# Altium PCB PMT_simulator.PcbDoc (part 4 of 5)
Units mm, origin at the board's own origin, x right, y up, seen from the top; angles counter-clockwise.
Board outline 222.04 x 100 mm, 4 copper layers (TopLayer, Internal Plane 1, Internal Plane 2, BottomLayer), stack 1.512 mm thick; 404 components, 266 nets, 1336 pads, 865 vias.
Unrouted connection lines stored in the file: 3.
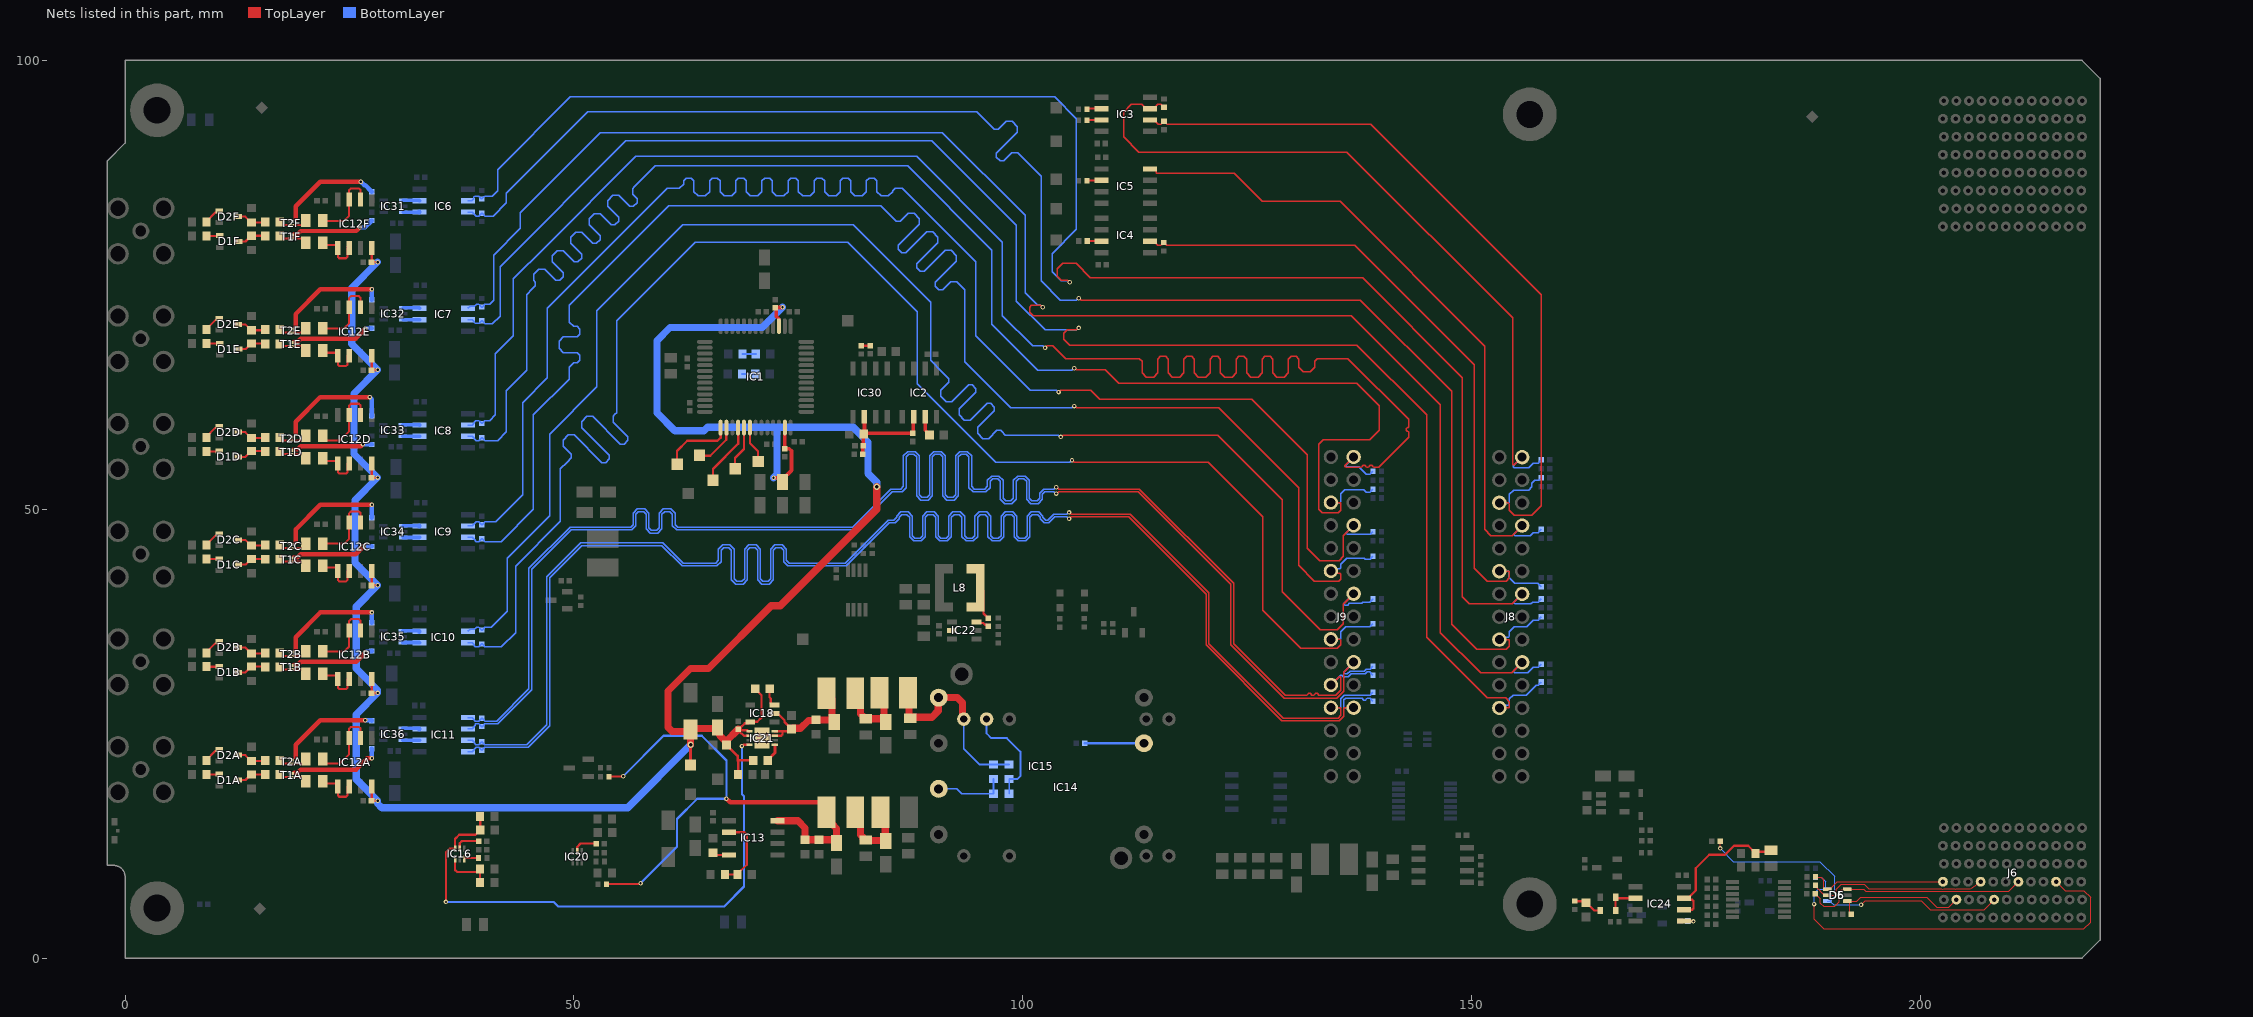
[diagram p6: the nets of this part, all layers, seen from the top]

## Via types
v1: diameter 0.5, hole 0.25, TopLayer to BottomLayer, tented both sides, 509 vias
v2: diameter 0.6, hole 0.3, TopLayer to BottomLayer, tented both sides, 338 vias
v3: diameter 0.7, hole 0.4, TopLayer to BottomLayer, tented both sides, 14 vias
v4: diameter 0.5, hole 0.25, TopLayer to BottomLayer, 4 vias

## Nets (pads, with @x,y where several pads share a name; then routed paths per layer and width w, separated by ;. In a path a pad name is that pad's centre, name@x,y a point inside that pad or via, vN(x,y) a via of type N, cw(c..) or ccw(c..) an arc to the next point about the centre after c; other vN are vias at no path point) (continued)
LVDS.LVDS_N14: IC11.1 J9.21 R31.1 R177.2 | length 181.5
  TopLayer w0.14: v1(103.75,52.45) 103.812,52.45 104.012,52.25 113,52.25 123.5,41.75 123.5,35 129.252,29.248 131.57,29.248 131.64,29.248 131.738,29.346 131.738,29.403 131.837,29.502 132.034,29.502 132.132,29.403 132.132,29.346 132.231,29.248 132.428,29.248 132.526,29.346 132.526,29.403 132.625,29.502 132.822,29.502 132.92,29.403 132.92,29.346 133.019,29.248 133.439,29.248 134.217,29.248 cw(c134.344,27.884) 134.471,29.248 134.874,29.248 135.465,29.84 135.465,31.265 135.383,31.347 135.267,31.347 J9.21@134.344,30.424
  BottomLayer w0.14: IC11.1@38.2,26.79 38.675,26.79 38.905,26.56 38.905,26.482 38.987,26.4 39.428,26.4 39.51,26.482 39.51,26.5 39.73,26.72 R31.1@39.75,26.72 39.77,26.72 39.99,26.5 39.99,26.482 40.072,26.4 41.4,26.4 45,30 45,43.424 49.576,48 56.157,48 56.315,48 56.604,48.289 56.604,49.567 57.069,50.032 57.895,50.032 58.36,49.567 58.36,47.937 58.649,47.648 59.227,47.648 59.516,47.937 59.516,49.567 59.981,50.032 60.807,50.032 61.272,49.567 61.272,48.289 61.561,48 64.231,48 81.076,48 85.326,52.25 86.279,52.25 86.437,52.25 86.726,52.539 86.726,55.967 87.19,56.432 88.017,56.432 88.482,55.967 88.482,51.618 88.771,51.329 89.349,51.329 89.638,51.618 89.638,55.967 90.102,56.432 90.929,56.432 91.394,55.967 91.394,51.618 91.683,51.329 92.261,51.329 92.55,51.618 92.55,55.967 93.014,56.432 93.841,56.432 94.306,55.967 94.306,52.539 94.595,52.25 94.828,52.25 95.196,52.25 95.779,52.25 96.068,52.539 96.068,53.238 96.532,53.702 97.359,53.702 97.824,53.238 97.824,51.21 98.113,50.921 98.691,50.921 98.98,51.21 98.98,53.238 99.444,53.702 100.271,53.702 100.736,53.238 100.736,51.21 101.025,50.921 101.603,50.921 101.892,51.21 101.892,51.785 102.356,52.25 102.638,52.25 103.488,52.25 103.688,52.45 v1(103.75,52.45) ; J9.21@134.344,30.424 135.447,31.527 135.569,31.527 135.739,31.357 136.303,31.357 136.607,31.66 138.193,31.66 138.411,31.878 138.7,31.878 138.81,31.768 138.81,31.72 R177.2@139.03,31.5
LVDS.LVDS_N15: IC11.4 J9.24 R33.2 R178.2 | length 184.6
  TopLayer w0.14: v1(105.174,48.95) 105.236,48.95 105.436,49.15 111.85,49.15 120.45,40.55 120.45,34.876 128.894,26.432 135.287,26.432 135.764,26.909 135.764,27.802 135.846,27.884 J9.24@136.884,27.884
  BottomLayer w0.14: IC11.4@38.2,22.98 38.675,22.98 38.905,23.21 38.905,23.25 39.132,23.477 39.42,23.477 39.502,23.395 39.502,23.377 39.722,23.157 R33.2@39.742,23.157 39.762,23.157 39.982,23.377 39.982,23.395 40.064,23.477 44.901,23.477 47.3,25.876 47.3,42.376 50.874,45.95 59.8,45.95 62.05,43.7 65.656,43.7 65.938,43.7 66.403,44.165 66.403,45.443 66.692,45.732 67.27,45.732 67.559,45.443 67.559,42.133 68.024,41.668 68.85,41.668 69.315,42.133 69.315,45.443 69.604,45.732 70.182,45.732 70.471,45.443 70.471,42.133 70.936,41.668 71.762,41.668 72.227,42.133 72.227,45.443 72.516,45.732 73.094,45.732 73.383,45.443 73.383,44.165 73.848,43.7 74.354,43.7 80.35,43.7 85.15,48.5 85.5,48.5 85.782,48.5 86.247,48.965 86.247,49.108 86.536,49.397 87.114,49.397 87.403,49.108 87.403,46.933 87.868,46.468 88.694,46.468 89.159,46.933 89.159,49.108 89.448,49.397 90.026,49.397 90.315,49.108 90.315,46.933 90.78,46.468 91.606,46.468 92.071,46.933 92.071,49.108 92.36,49.397 92.938,49.397 93.227,49.108 93.227,46.933 93.692,46.468 94.518,46.468 94.983,46.933 94.983,49.108 95.272,49.397 95.85,49.397 96.139,49.108 96.139,46.933 96.604,46.468 97.43,46.468 97.895,46.933 97.895,49.108 98.184,49.397 98.762,49.397 99.051,49.108 99.051,46.933 99.516,46.468 100.342,46.468 100.807,46.933 100.807,49.108 101.096,49.397 101.674,49.397 101.963,49.108 101.963,48.965 102.428,48.5 102.758,48.5 102.924,48.5 103.574,49.15 104.912,49.15 105.112,48.95 v1(105.174,48.95) ; J9.24@136.884,27.884 135.846,27.884 135.764,27.966 135.764,28.75 135.979,28.965 137.354,28.965 137.818,28.965 137.916,28.867 137.916,28.81 138.015,28.711 138.212,28.711 138.31,28.81 138.31,28.867 138.409,28.965 138.648,28.965 138.728,28.965 138.81,28.883 138.81,28.835 R178.2@139.03,28.615
LVDS.LVDS_P0: IC3.3 J8.2 R6.1 R145.2 | length 82.7
  TopLayer w0.14: R6.1@115.75,94.78 115.73,94.78 115.393,95.117 115.08,95.117 114.905,94.942 114.905,94.865 114.675,94.635 IC3.3@114.2,94.635 113.725,94.635 113.495,94.865 113.495,94.901 113.276,95.12 112.12,95.12 111.25,94.25 111.25,91.5 112.95,89.8 136.124,89.8 154.598,71.326 154.598,55.022 154.68,54.94 154.796,54.94 J8.2@155.654,55.798
  BottomLayer w0.14: J8.2@155.654,55.798 154.688,54.832 154.688,54.716 154.77,54.634 156.384,54.634 156.9,55.15 157.478,55.15 157.56,55.232 157.56,55.28 R145.2@157.78,55.5
LVDS.LVDS_P1: IC3.2 J8.5 R4.2 R146.2 | length 88.2
  TopLayer w0.14: IC3.2@114.2,93.365 114.675,93.365 114.905,93.135 114.905,93.107 115.112,92.9 115.428,92.9 115.51,92.982 115.51,93 115.73,93.22 R4.2@115.75,93.22 115.77,93.22 115.99,93 115.99,92.982 116.072,92.9 138.774,92.9 157.8,73.874 157.8,50.376 156.74,49.316 154.794,49.316 154.234,49.876 154.234,50.636 154.152,50.718 J8.5@153.114,50.718
  BottomLayer w0.14: J8.5@153.114,50.718 154.152,50.718 154.234,50.8 154.234,51.654 154.705,52.126 156.376,52.126 156.75,52.5 156.75,52.89 157.066,53.206 157.506,53.206 157.78,53.48 R146.2@157.78,53.5
LVDS.LVDS_P2: IC5.8 J8.8 R147.2 | length 75.7
  TopLayer w0.14: IC5.8@114.2,87.905 114.646,87.905 114.876,87.675 114.876,87.499 114.959,87.417 123.583,87.417 126.7,84.3 135.374,84.3 151.5,68.174 151.5,47.75 152.178,47.072 154.548,47.072 J8.8@155.654,48.178
  BottomLayer w0.14: J8.8@155.654,48.178 154.747,47.271 154.747,47.155 154.829,47.073 156.573,47.073 156.9,47.4 157.478,47.4 157.56,47.482 157.56,47.53 R147.2@157.78,47.75
LVDS.LVDS_P3: IC4.2 J8.11 R8.2 R148.2 | length 77.1
  TopLayer w0.14: IC4.2@114.2,79.865 114.675,79.865 114.905,79.635 114.905,79.567 115.078,79.395 115.415,79.395 115.497,79.477 115.497,79.495 115.717,79.715 R8.2@115.737,79.715 115.757,79.715 115.977,79.495 115.977,79.477 116.059,79.395 137.03,79.395 150.3,66.124 150.3,43.45 151.757,41.993 153.858,41.993 154.234,42.37 154.234,43.016 154.152,43.098 J8.11@153.114,43.098
  BottomLayer w0.14: J8.11@153.114,43.098 154.136,43.098 154.234,43 154.234,42.341 154.849,41.727 157.416,41.727 157.54,41.603 157.56,41.603 157.78,41.383 R148.2@157.78,41.363
LVDS.LVDS_P4: IC6.2 J8.14 R11.2 R149.2 | length 185.7
  TopLayer w0.14: v1(105.25,75.3) 105.188,75.3 104.988,75.5 104.326,75.5 103.881,75.945 103.881,76.791 104.491,77.401 105.946,77.401 107.547,75.8 137.874,75.8 149,64.674 149,40.25 149.782,39.468 154.564,39.468 J8.14@155.654,40.558
  BottomLayer w0.14: IC6.2@38.2,84.385 38.618,84.385 38.848,84.615 38.848,84.788 38.955,84.895 39.404,84.895 39.486,84.813 39.486,84.795 39.706,84.575 R11.2@39.726,84.575 39.746,84.575 39.966,84.795 39.966,84.813 40.048,84.895 40.895,84.895 41.5,85.5 41.5,87.826 49.624,95.95 103.55,95.95 106,93.5 106,81.174 103.3,78.474 103.3,76.45 104.3,75.45 105.003,75.45 105.153,75.3 v1(105.25,75.3) ; J8.14@155.654,40.558 154.741,39.645 154.741,39.529 154.823,39.447 156.616,39.447 156.819,39.65 157.478,39.65 157.56,39.732 157.56,39.78 R149.2@157.78,40
LVDS.LVDS_P5: IC6.3 J8.17 R13.1 R150.2 | length 183.8
  TopLayer w0.14: v1(106.25,73.5) 106.312,73.5 106.512,73.3 112.971,73.3 126.952,73.3 137.624,73.3 147.8,63.124 147.8,37.2 150.587,34.413 153.897,34.413 154.234,34.75 154.234,35.396 154.152,35.478 J8.17@153.114,35.478
  BottomLayer w0.14: IC6.3@38.2,83.115 38.675,83.115 38.905,82.885 38.905,82.85 39.113,82.642 39.394,82.642 39.738,82.985 R13.1@39.758,82.985 39.778,82.985 39.998,82.765 39.998,82.747 40.08,82.665 40.991,82.665 42.45,84.124 42.45,85.2 51.55,94.3 94.874,94.3 96.746,92.428 96.857,92.317 97.266,92.317 98.17,93.221 98.827,93.221 99.412,92.636 99.412,91.979 97.071,89.638 97.071,89.23 97.48,88.821 97.888,88.821 98.792,89.725 99.449,89.725 100.535,88.639 102.05,87.124 102.05,75.45 104.2,73.3 105.988,73.3 106.188,73.5 v1(106.25,73.5) ; J8.17@153.114,35.478 153.386,35.75 154.152,35.75 154.234,35.832 154.234,36.374 154.746,36.886 156.142,36.886 156.906,37.65 157.478,37.65 157.56,37.732 157.56,37.78 R150.2@157.78,38
LVDS.LVDS_P6: IC7.2 J8.20 R15.2 R151.2 | length 183.5
  TopLayer w0.14: v1(102.25,72.5) 102.188,72.5 101.988,72.7 100.975,72.7 100.803,72.529 100.803,71.947 101.2,71.55 136.624,71.55 146.55,61.624 146.55,36.251 151.039,31.763 154.479,31.763 J8.20@155.654,32.938
  BottomLayer w0.14: IC7.2@38.2,72.385 38.43,72.615 38.917,72.615 39.152,72.85 39.428,72.85 39.51,72.768 39.51,72.75 39.73,72.53 R15.2@39.75,72.53 39.77,72.53 39.99,72.75 39.99,72.768 40.072,72.85 40.624,72.85 41.05,73.276 41.05,78.3 44.05,81.3 44.05,83.05 52.95,91.95 91.05,91.95 100.268,82.732 100.268,74.107 101.675,72.7 101.988,72.7 102.188,72.5 v1(102.25,72.5) ; J8.20@155.654,32.938 154.717,32.001 154.717,31.885 154.799,31.803 156.303,31.803 156.9,32.4 157.478,32.4 157.56,32.482 157.56,32.53 R151.2@157.78,32.75
LVDS.LVDS_P7: IC7.3 J8.23 R17.1 R152.2 | length 185.5
  TopLayer w0.14: v1(106.25,70.2) 106.188,70.2 105.988,70 104.971,70 104.584,69.613 104.584,68.916 105.25,68.25 137.25,68.25 145,60.5 145,35.75 151.75,29 153.811,29 154.234,28.577 154.234,27.94 154.152,27.858 J8.23@153.114,27.858
  BottomLayer w0.14: IC7.3@38.2,71.115 38.675,71.115 38.905,70.885 38.905,70.786 38.987,70.704 39.434,70.704 39.73,71 R17.1@39.75,71 39.77,71 39.99,70.78 39.99,70.762 40.072,70.68 40.93,70.68 41.771,71.521 41.771,77.021 55.8,91.05 89.874,91.05 99.3,81.624 99.3,73.2 102.5,70 105.988,70 106.188,70.2 v1(106.25,70.2) ; J8.23@153.114,27.858 153.394,28.138 154.122,28.138 154.234,28.25 154.234,28.874 154.66,29.3 156.12,29.3 157.22,30.4 157.478,30.4 157.56,30.482 157.56,30.53 R152.2@157.78,30.75
LVDS.LVDS_P8: IC8.2 J9.2 R19.2 R153.2 | length 184.4
  TopLayer w0.14: v1(102.5,68) 102.562,68 102.762,68.2 103.376,68.2 104.826,66.75 111.397,66.75 113.011,66.75 113.3,66.461 113.3,65.183 113.765,64.718 114.591,64.718 115.056,65.183 115.056,66.73 115.345,67.019 115.923,67.019 116.212,66.73 116.212,65.183 116.677,64.718 117.503,64.718 117.968,65.183 117.968,66.73 118.257,67.019 118.835,67.019 119.124,66.73 119.124,65.183 119.589,64.718 120.415,64.718 120.88,65.183 120.88,66.73 121.169,67.019 121.747,67.019 122.036,66.73 122.036,65.183 122.501,64.718 123.327,64.718 123.792,65.183 123.792,66.73 124.081,67.019 124.659,67.019 124.948,66.73 124.948,65.183 125.413,64.718 126.239,64.718 126.704,65.183 126.704,66.73 126.993,67.019 127.571,67.019 127.86,66.73 127.86,65.183 128.325,64.718 129.151,64.718 129.616,65.183 129.616,66.73 129.905,67.019 130.483,67.019 130.772,66.73 130.772,65.808 131.237,65.343 132.063,65.343 132.528,65.808 132.528,66.461 132.817,66.75 134.03,66.75 136.25,66.75 143,60 143,59.66 143,59.196 142.902,59.098 142.844,59.098 142.746,58.999 142.746,58.802 142.844,58.704 142.902,58.704 143,58.605 143,58.222 143,58 139.65,54.65 139.576,54.65 139.112,54.65 139.013,54.749 139.013,54.806 138.915,54.904 138.718,54.904 138.619,54.806 138.619,54.749 138.521,54.65 138.324,54.65 138.225,54.749 138.225,54.806 138.127,54.904 137.93,54.904 137.831,54.806 137.831,54.749 137.733,54.65 137.644,54.65 136.986,54.65 ccw(c136.884,53.284) 136.782,54.65 135.99,54.65 135.908,54.732 135.908,54.848 J9.2@136.884,55.824
  BottomLayer w0.14: IC8.2@38.2,59.385 38.675,59.385 38.905,59.615 38.905,59.68 39.095,59.87 39.181,59.87 39.191,59.88 39.428,59.88 39.51,59.798 39.51,59.78 39.73,59.56 R19.2@39.75,59.56 39.77,59.56 39.99,59.78 39.99,59.798 40.072,59.88 40.624,59.88 41.25,60.506 41.25,67.326 43.25,69.326 43.25,73.126 43.25,73.25 43.25,75.665 46.788,79.203 56.896,89.311 88.189,89.311 97.75,79.75 97.75,71.576 101.126,68.2 102.238,68.2 102.438,68 v1(102.5,68) ; J9.2@136.884,55.824 135.974,54.914 135.974,54.798 136.056,54.716 137.458,54.716 138.274,53.9 138.728,53.9 138.81,53.982 138.81,54.03 R153.2@139.03,54.25
LVDS.LVDS_P9: IC8.3 J9.5 R21.1 R154.2 | length 186.5
  TopLayer w0.14: v1(105.75,65.7) 105.847,65.7 105.997,65.55 109.2,65.55 110.7,64.05 137.2,64.05 139.733,61.517 139.733,58.809 138.692,57.768 133.518,57.768 133,57.25 133,50 133.391,49.609 135.187,49.609 135.464,49.886 135.464,50.662 135.382,50.744 J9.5@134.344,50.744
  BottomLayer w0.14: IC8.3@38.2,58.115 38.675,58.115 38.905,57.885 38.905,57.858 39.113,57.65 39.428,57.65 39.51,57.732 39.51,57.75 39.73,57.97 R21.1@39.75,57.97 39.77,57.97 39.99,57.75 39.99,57.732 40.072,57.65 41.5,57.65 42.456,58.606 42.456,63.206 44.75,65.5 44.75,73.924 45.381,74.555 45.724,74.898 45.724,75.307 45.527,75.503 45.527,76.16 46.112,76.745 46.769,76.745 47.992,75.522 48.401,75.522 48.81,75.93 48.81,76.339 47.587,77.562 47.587,78.22 48.171,78.804 48.828,78.804 50.052,77.581 50.46,77.581 50.869,77.989 50.869,78.398 49.646,79.621 49.646,80.279 50.23,80.863 50.887,80.863 52.111,79.64 52.519,79.64 52.928,80.048 52.928,80.457 51.705,81.68 51.705,82.338 52.289,82.922 52.946,82.922 54.17,81.699 54.578,81.699 54.987,82.107 54.987,82.516 53.764,83.74 53.764,84.397 54.348,84.981 55.005,84.981 56.229,83.758 56.638,83.758 57.046,84.167 57.046,84.575 56.552,85.069 56.552,85.727 56.752,85.926 59.076,88.25 87.174,88.25 96.55,78.874 96.55,70.624 101.674,65.5 105.488,65.5 105.688,65.7 v1(105.75,65.7) ; J9.5@134.344,50.744 135.382,50.744 135.464,50.826 135.464,51.729 135.896,52.161 138.013,52.161 138.274,51.9 138.728,51.9 138.81,51.982 138.81,52.03 R154.2@139.03,52.25
LVDS.LVDS_P10: IC9.2 J9.8 R23.2 R155.2 | length 185
  TopLayer w0.14: v1(104,63.05) 104.062,63.05 104.262,63.25 107.576,63.25 108.576,62.25 125.5,62.25 131.7,56.05 131.7,45.626 133.077,44.249 135.249,44.249 135.748,44.748 135.748,47.068 J9.8@136.884,48.204
  BottomLayer w0.14: IC9.2@38.2,48.135 38.675,48.135 38.905,48.365 38.905,48.39 39.115,48.6 39.428,48.6 39.51,48.518 39.51,48.5 39.73,48.28 R23.2@39.75,48.28 39.77,48.28 39.99,48.5 39.99,48.518 40.072,48.6 41.274,48.6 44.3,51.626 44.3,61.876 47.05,64.626 47.05,72.376 60.424,85.75 61.471,85.75 61.753,85.75 62.218,86.215 62.218,86.613 62.507,86.902 63.085,86.902 63.374,86.613 63.374,85.386 63.839,84.921 64.665,84.921 65.13,85.386 65.13,86.613 65.419,86.902 65.997,86.902 66.286,86.613 66.286,85.386 66.751,84.921 67.577,84.921 68.042,85.386 68.042,86.613 68.331,86.902 68.909,86.902 69.198,86.613 69.198,85.386 69.663,84.921 70.489,84.921 70.954,85.386 70.954,86.613 71.243,86.902 71.821,86.902 72.11,86.613 72.11,85.386 72.575,84.921 73.401,84.921 73.866,85.386 73.866,86.613 74.155,86.902 74.733,86.902 75.022,86.613 75.022,85.386 75.487,84.921 76.313,84.921 76.778,85.386 76.778,86.613 77.067,86.902 77.645,86.902 77.934,86.613 77.934,85.386 78.399,84.921 79.225,84.921 79.69,85.386 79.69,86.613 79.979,86.902 80.557,86.902 80.846,86.613 80.846,85.386 81.311,84.921 82.137,84.921 82.602,85.386 82.602,86.613 82.891,86.902 83.469,86.902 83.758,86.613 83.758,85.386 84.223,84.921 85.049,84.921 85.514,85.386 85.514,85.461 85.803,85.75 86.566,85.75 86.576,85.75 94.75,77.576 94.75,69.574 94.75,69.326 100.826,63.25 103.738,63.25 103.938,63.05 v1(104,63.05) ; J9.8@136.884,48.204 136.065,47.385 136.065,47.269 136.147,47.187 138.725,47.187 138.799,47.26 138.81,47.26 139.03,47.48 R155.2@139.03,47.5
LVDS.LVDS_P11: IC9.3 J9.11 R25.1 R156.2 | length 185.5
  TopLayer w0.14: v1(105.75,61.5) 105.812,61.5 106.012,61.3 121.825,61.3 130.75,52.375 130.75,43.75 132.503,41.997 135.24,41.997 135.464,42.222 135.464,42.75 135.354,42.86 134.608,42.86 J9.11@134.344,43.124
  BottomLayer w0.14: IC9.3@38.2,46.865 38.675,46.865 38.905,46.635 38.905,46.629 39.134,46.4 39.428,46.4 39.51,46.482 39.51,46.5 39.73,46.72 R25.1@39.75,46.72 39.77,46.72 39.99,46.5 39.99,46.482 40.072,46.4 41.9,46.4 45.5,50 45.5,60.5 49.5,64.5 49.5,65.123 49.5,65.832 49.965,66.296 50.361,66.296 50.65,66.585 50.65,67.163 50.361,67.452 48.82,67.452 48.356,67.917 48.356,68.744 48.82,69.208 50.361,69.208 50.65,69.497 50.65,70.075 50.361,70.364 49.965,70.364 49.5,70.829 49.5,71.111 49.5,72.75 60.55,83.8 84.2,83.8 84.968,83.032 85.933,82.067 86.342,82.067 87.245,82.971 87.903,82.971 88.487,82.387 88.487,81.729 86.146,79.389 86.146,78.98 86.555,78.571 86.964,78.571 89.305,80.912 89.962,80.912 90.546,80.327 90.546,79.67 88.206,77.329 88.206,76.921 88.614,76.512 89.023,76.512 91.364,78.853 92.021,78.853 92.605,78.268 92.605,77.611 90.265,75.27 90.265,74.862 90.673,74.453 91.082,74.453 91.986,75.357 92.643,75.357 92.843,75.157 93.55,74.45 93.55,66.45 98.7,61.3 105.488,61.3 105.688,61.5 v1(105.75,61.5) ; J9.11@134.344,43.124 134.61,43.39 135.354,43.39 135.464,43.5 135.464,43.888 136.126,44.55 138.039,44.55 138.189,44.4 138.728,44.4 138.81,44.482 138.81,44.53 R156.2@139.03,44.75
LVDS.LVDS_P12: IC10.2 J9.14 R27.2 R157.2 | length 183.2
  TopLayer w0.14: v1(104.25,58.05) 104.312,58.05 104.512,58.25 121.75,58.25 128.934,51.066 128.934,40.816 133.176,36.574 135.074,36.574 135.729,37.229 135.729,39.429 J9.14@136.884,40.584
  BottomLayer w0.14: IC10.2@38.2,36.385 38.43,36.615 38.92,36.615 39.155,36.85 39.428,36.85 39.51,36.768 39.51,36.75 39.73,36.53 R27.2@39.75,36.53 39.77,36.53 39.99,36.75 39.99,36.768 40.072,36.85 40.774,36.85 42.55,38.626 42.55,44.55 47.3,49.3 47.3,58.376 52.55,63.626 52.55,72.126 62.124,81.7 81.126,81.7 89.75,73.076 89.75,66.576 90.991,65.334 91.783,64.543 91.783,64.134 90.879,63.23 90.879,62.573 91.463,61.989 92.12,61.989 93.976,63.845 94.385,63.845 94.794,63.436 94.794,63.027 92.938,61.171 92.938,60.514 93.522,59.93 94.18,59.93 96.035,61.786 96.444,61.786 96.853,61.377 96.853,60.968 94.997,59.112 94.997,58.455 95.581,57.871 96.239,57.871 97.143,58.775 97.551,58.775 97.663,58.663 98.076,58.25 103.988,58.25 104.188,58.05 v1(104.25,58.05) ; J9.14@136.884,40.584 135.82,39.52 135.82,39.402 135.902,39.32 136.202,39.32 136.398,39.517 137.767,39.517 137.883,39.633 138.683,39.633 139.03,39.98 R157.2@139.03,40
LVDS.LVDS_P13: IC10.3 J9.17 R29.1 R158.2 | length 185.8
  TopLayer w0.14: v1(105.5,55.45) 105.562,55.45 105.762,55.25 120.674,55.25 126.75,49.174 126.75,38.75 131,34.5 135.049,34.5 135.464,34.915 135.464,35.422 135.382,35.504 J9.17@134.344,35.504
  BottomLayer w0.14: IC10.3@38.2,35.115 38.675,35.115 38.905,34.885 38.905,34.769 38.987,34.687 39.417,34.687 39.73,35 R29.1@39.75,35 39.77,35 39.99,34.78 39.99,34.762 40.072,34.68 41.93,34.68 43.5,36.25 43.5,43.674 48.5,48.674 48.5,54.5 49.26,55.26 49.72,55.72 49.72,56.129 48.816,57.033 48.816,57.69 49.401,58.274 50.058,58.274 53.133,55.199 53.542,55.199 53.951,55.608 53.951,56.016 50.875,59.092 50.875,59.749 51.46,60.333 52.117,60.333 55.192,57.258 55.601,57.258 56.01,57.667 56.01,58.076 54.371,59.714 54.371,60.371 54.571,60.571 54.75,60.75 54.75,71 63.5,79.75 80.5,79.75 88.25,72 88.25,64 97,55.25 105.238,55.25 105.438,55.45 v1(105.5,55.45) ; J9.17@134.344,35.504 135.382,35.504 135.464,35.586 135.464,36.374 135.987,36.898 138.678,36.898 138.79,37.01 138.81,37.01 139.03,37.23 R158.2@139.03,37.25
LVDS.LVDS_P14: IC11.2 J9.20 R31.2 R159.2 | length 181.9
  TopLayer w0.14: v1(103.75,51.75) 103.812,51.75 104.012,51.95 112.876,51.95 123.2,41.626 123.2,34.876 129.128,28.948 134.232,28.948 cw(c134.344,27.884) 134.456,28.948 134.998,28.948 135.765,29.715 135.765,31.845 J9.20@136.884,32.964
  BottomLayer w0.14: IC11.2@38.2,25.52 38.675,25.52 38.905,25.75 38.905,25.807 39.006,25.908 39.006,26.018 39.088,26.1 39.428,26.1 39.51,26.018 39.51,26 39.73,25.78 R31.2@39.75,25.78 39.77,25.78 39.99,26 39.99,26.018 40.072,26.1 41.524,26.1 45.3,29.876 45.3,43.3 49.7,47.7 56.157,47.7 56.439,47.7 56.904,48.165 56.904,49.443 57.193,49.732 57.771,49.732 58.06,49.443 58.06,47.813 58.525,47.348 59.351,47.348 59.816,47.813 59.816,49.443 60.105,49.732 60.683,49.732 60.972,49.443 60.972,48.165 61.437,47.7 64.231,47.7 81.2,47.7 85.45,51.95 86.279,51.95 86.561,51.95 87.026,52.415 87.026,55.843 87.315,56.132 87.893,56.132 88.182,55.843 88.182,51.493 88.646,51.029 89.473,51.029 89.938,51.493 89.938,55.843 90.227,56.132 90.805,56.132 91.094,55.843 91.094,51.493 91.558,51.029 92.385,51.029 92.85,51.493 92.85,55.843 93.139,56.132 93.717,56.132 94.006,55.843 94.006,52.415 94.47,51.95 94.828,51.95 95.196,51.95 95.903,51.95 96.368,52.415 96.368,53.113 96.657,53.402 97.235,53.402 97.524,53.113 97.524,51.085 97.988,50.621 98.815,50.621 99.28,51.085 99.28,53.113 99.569,53.402 100.147,53.402 100.436,53.113 100.436,51.085 100.9,50.621 101.727,50.621 102.192,51.085 102.192,51.661 102.481,51.95 102.638,51.95 103.488,51.95 103.688,51.75 v1(103.75,51.75) ; J9.20@136.884,32.964 135.781,31.861 135.781,31.739 135.863,31.657 136.179,31.657 136.483,31.96 138.069,31.96 138.287,32.178 138.728,32.178 139.03,32.48 R159.2@139.03,32.5
LVDS.LVDS_P15: IC11.3 J9.23 R33.1 R160.2 | length 184.3
  TopLayer w0.14: v1(105.174,49.65) 105.236,49.65 105.436,49.45 111.974,49.45 120.75,40.674 120.75,35 129.018,26.732 135.162,26.732 135.464,27.034 135.464,27.802 135.382,27.884 J9.23@134.344,27.884
  BottomLayer w0.14: IC11.3@38.2,24.25 38.675,24.25 38.905,24.02 38.905,23.963 39.091,23.777 39.42,23.777 39.502,23.859 39.502,23.877 39.722,24.097 R33.1@39.742,24.097 39.762,24.097 39.982,23.877 39.982,23.859 40.064,23.777 44.777,23.777 47,26 47,42.5 50.75,46.25 59.924,46.25 62.174,44 65.656,44 65.814,44 66.103,44.289 66.103,45.567 66.568,46.032 67.394,46.032 67.859,45.567 67.859,42.257 68.148,41.968 68.726,41.968 69.015,42.257 69.015,45.567 69.48,46.032 70.306,46.032 70.771,45.567 70.771,42.257 71.06,41.968 71.638,41.968 71.927,42.257 71.927,45.567 72.392,46.032 73.218,46.032 73.683,45.567 73.683,44.289 73.972,44 74.354,44 80.226,44 85.026,48.8 85.5,48.8 85.658,48.8 85.947,49.089 85.947,49.232 86.412,49.697 87.238,49.697 87.703,49.232 87.703,47.057 87.992,46.768 88.57,46.768 88.859,47.057 88.859,49.232 89.324,49.697 90.15,49.697 90.615,49.232 90.615,47.057 90.904,46.768 91.482,46.768 91.771,47.057 91.771,49.232 92.236,49.697 93.062,49.697 93.527,49.232 93.527,47.057 93.816,46.768 94.394,46.768 94.683,47.057 94.683,49.232 95.148,49.697 95.974,49.697 96.439,49.232 96.439,47.057 96.728,46.768 97.306,46.768 97.595,47.057 97.595,49.232 98.06,49.697 98.886,49.697 99.351,49.232 99.351,47.057 99.64,46.768 100.218,46.768 100.507,47.057 100.507,49.232 100.972,49.697 101.798,49.697 102.263,49.232 102.263,49.089 102.552,48.8 102.758,48.8 102.8,48.8 103.45,49.45 104.912,49.45 105.112,49.65 v1(105.174,49.65) ; J9.23@134.344,27.884 135.382,27.884 135.464,27.966 135.464,28.874 135.855,29.265 138.728,29.265 138.81,29.347 138.81,29.395 R160.2@139.03,29.615